# Altium PCB PROC010B_PCB.PcbDoc (part 1 of 6) (continued)
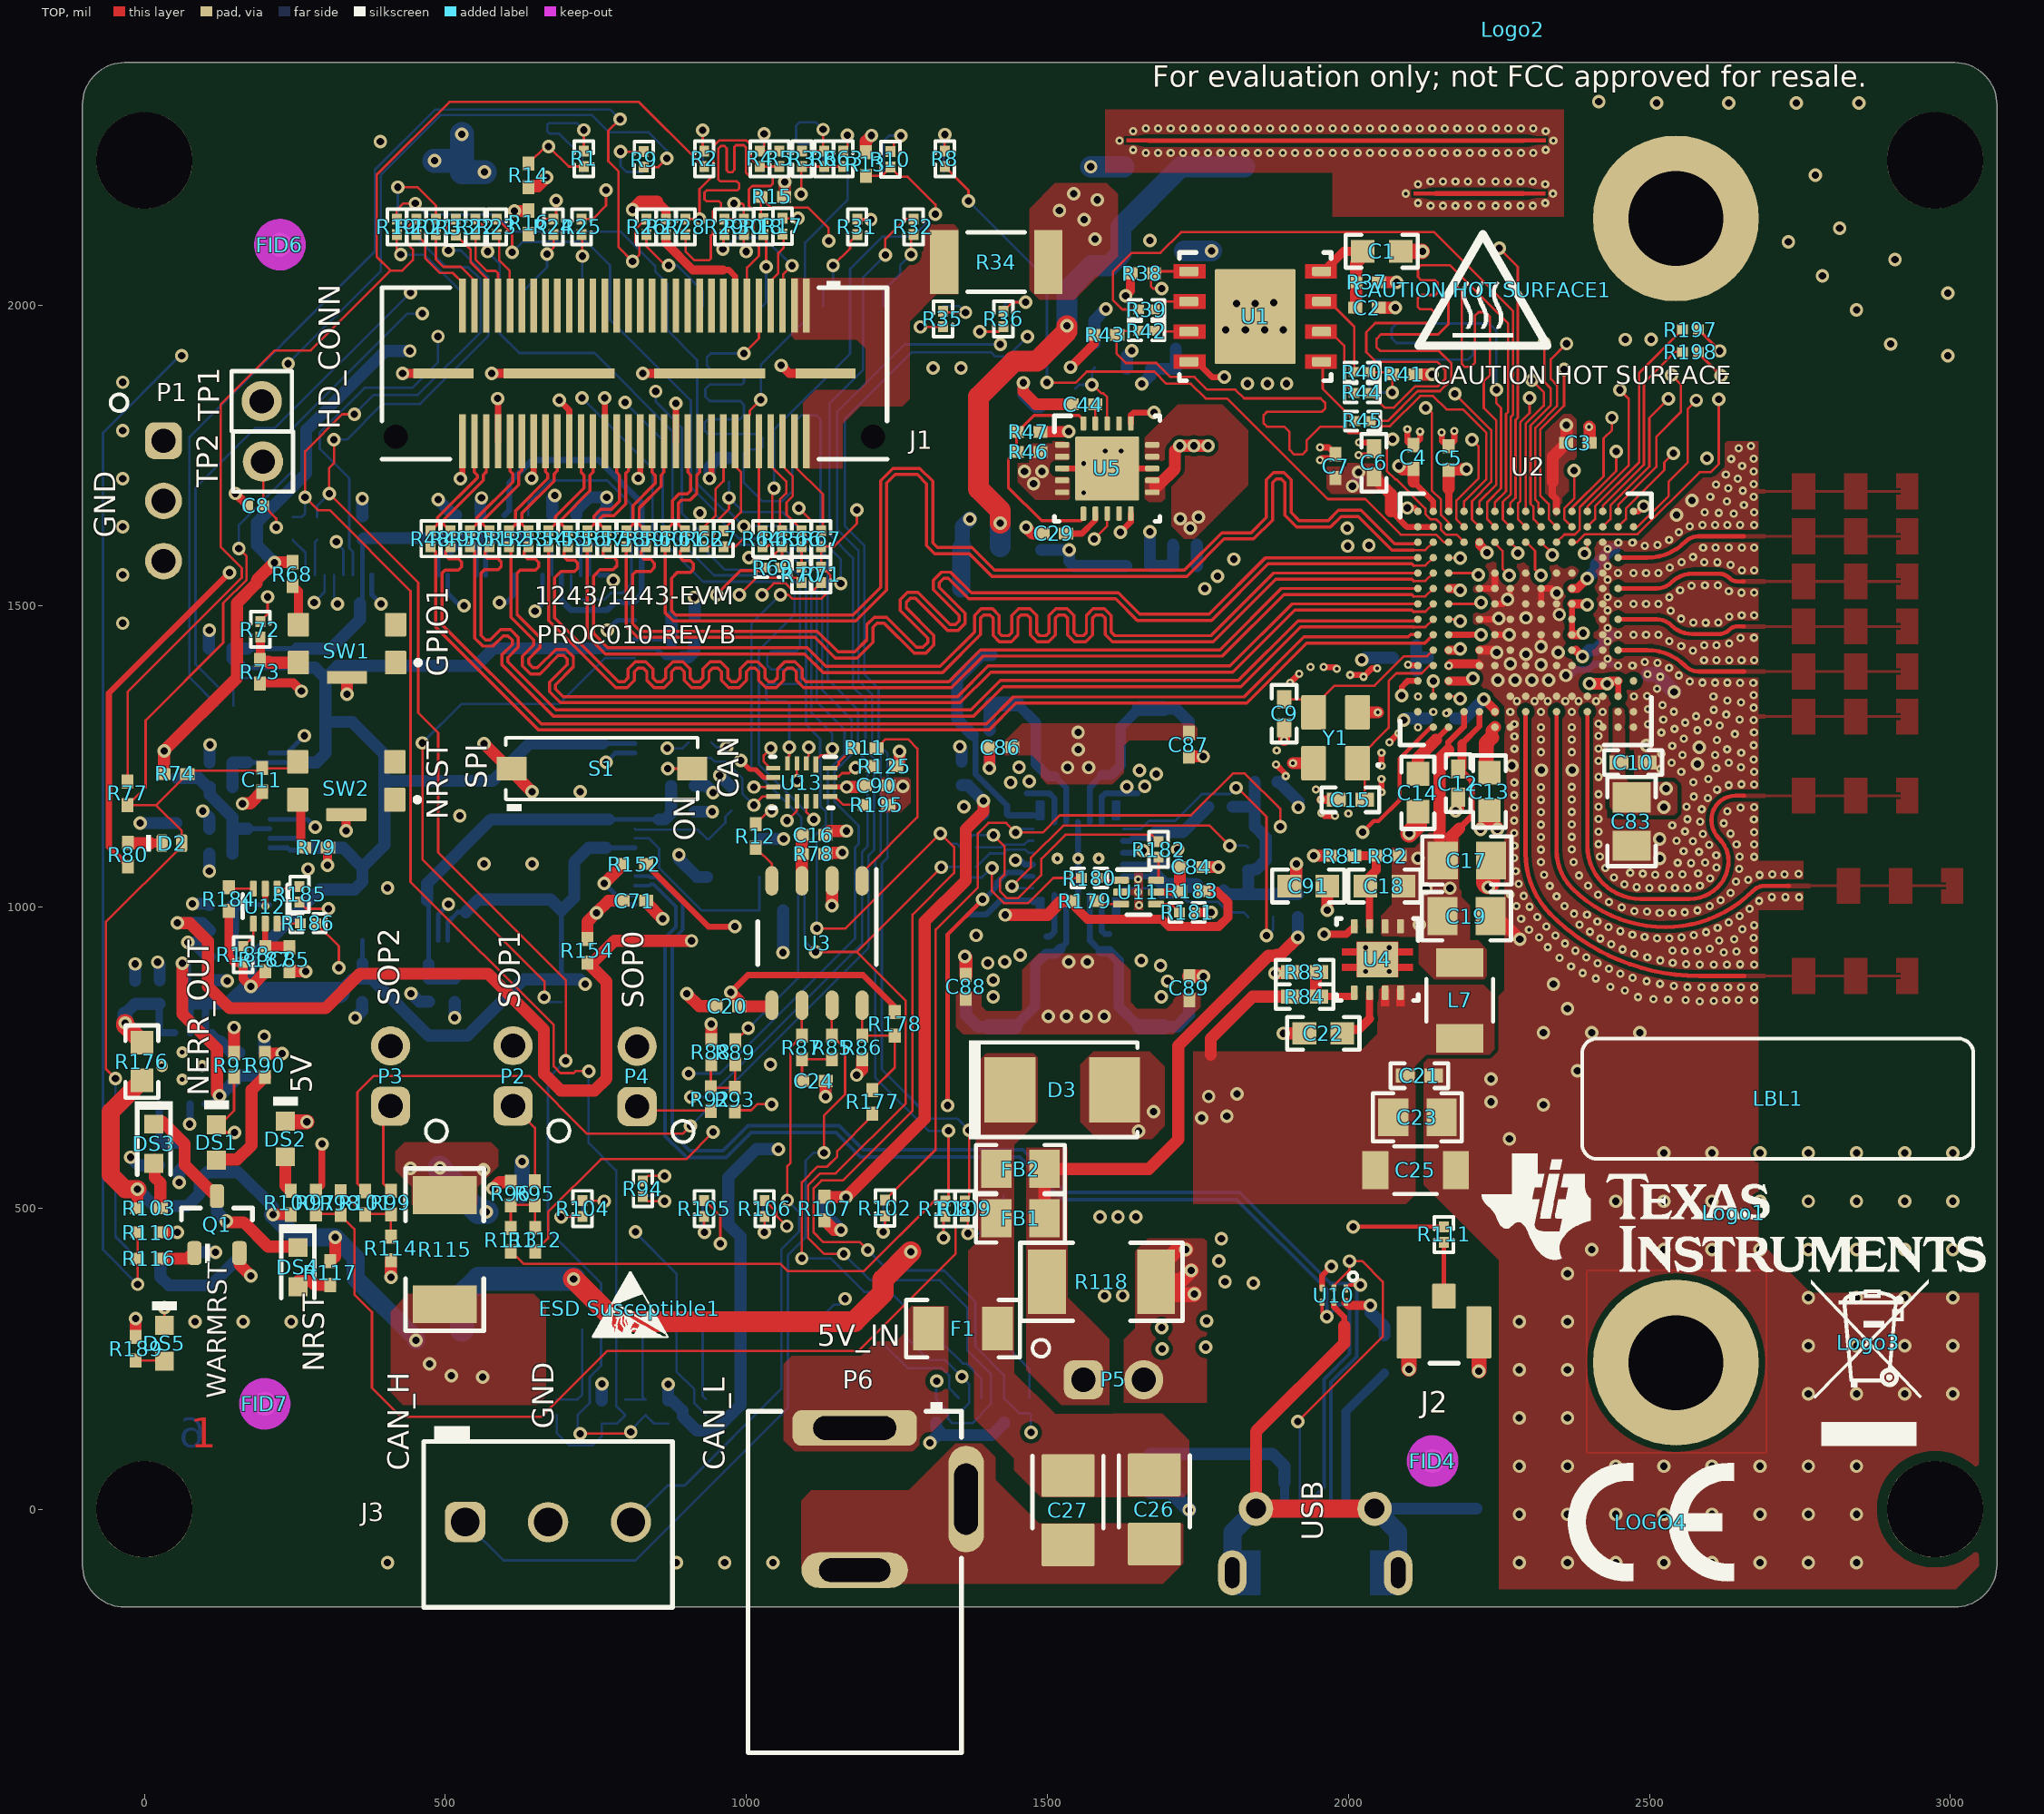
[diagram p0: TOP view]
## Components (designator, comment, footprint, x,y, rotation, side; value= is the part's Value field where it differs from the comment)
C1 "GCM188R71C105KA64D" 0603 2055.47,2088.99 r180 top value=1uF
C2 "CGA2B3X7R1H104K050BB" 0402L 2030.78,1995.26 r180 top value=0.1uF
C3 "GCM155R71C224KE02D" 0402L 2381.16,1770.8 r0 top value=0.22uF
C4 "GCM155R71C104KA55D" 0402L 2108,1747.43 r90 top value=0.1uF
C5 "GCM155R71C224KE02D" 0402L 2166.55,1745.78 r90 top value=0.22uF
C6 "GCM155R71C104KA55D" 0402 2042.55,1737.8 r90 top value=0.1uF
C7 "GCM155R71C224KE02D" 0402L 1978.55,1732.41 r90 top value=0.22uF
C8 "C0603X7S1A104K030BC" 0201_033 184.69,1666.75 r180 top value=0.1uF
C9 "GJM1555C1H4R7BB01D" 0402 1893.4,1321.21 r270 top value=4.7pF
C10 "GCM155R71C224KE02D" 0402 2473,1240 r0 top value=0.22uF
C11 "GCM155R71C104KA55D" 0402L 195.7,1211.25 r90 top value=0.1uF
C12 "GCM155R71C224KE02D" 0402 2182.55,1205.8 r270 top value=0.22uF
C13 "GCM188R71C105KA64D" 0603 2234.45,1191.9 r270 top value=1uF
C14 "GCM188R71C105KA64D" 0603 2115.45,1189.8 r270 top value=1uF
C15 "GJM1555C1H4R7BB01D" 0402 2003.47,1178.2 r0 top value=4.7pF
C16 "C0402C104K8RACTU" 0402L 1111.7,1119.67 r180 top value=0.1uF
C17 "GCM21BR71A106KE22L" 0805_HV 2196.81,1077.38 r0 top value=10uF
C18 "GCM188R71C474KA55D" 0603 2059.87,1034.87 r180 top value=0.47uF
C19 "GCM21BR71A106KE22L" 0805_HV 2196.23,984.99 r0 top value=10uF
C20 "C0402C104K8RACTU" 0402L 968.28,835.45 r0 top value=0.1uF
C21 "CGA2B3X7R1H104K050BB" 0402 2117.99,720.01 r0 top value=0.1uF
C22 "GCM188R71C474KA55D" 0603 1958.47,790.27 r180 top value=0.47uF
C23 "GCM21BR71A106KE22L" 0805_HV 2114.63,650.9 r0 top value=10uF
C24 "C1005X7R1H472K050BA" 0402L 1112.06,711.14 r180 top value=4700pF
C25 "CGA5L1X7R0J226M160AC" 1206_180 2111.8,563.22 r0 top value=22uF
C26 "T491B476K010AT" 3528-21 1677.7,-0.35 r270 top value=47uF
C27 "T491B476K010AT" 3528-21 1534.3,-1.55 r270 top value=47uF
C28 "CGA2B3X8R1H103K050BB" 0402L 1732.83,1927.64 r0 bottom value=0.01uF
C29 "CGA2B3X8R1H103K050BB" 0402L 1511.34,1620.25 r0 top value=0.01uF
C30 "CGA5L1X7R0J226M160AC" 1206_180 1402,1796.5 r270 bottom value=22uF
C31 "CGA5L1X7R0J226M160AC" 1206_180 1310.2,1796.25 r270 bottom value=22uF
C32 "GCM21BR71A106KE22L" 0805 1487.95,1795 r270 bottom value=10uF
C33 "GCM188R71C105KA64D" 0603 1802.6,1785.62 r270 bottom value=1uF
C34 "GCM21BR71A106KE22L" 0805_HV 1875,1790 r270 bottom value=10uF
C35 "GCM21BR71A106KE22L" 0805_HV 1955,1790 r270 bottom value=10uF
C36 "GCM188R71C105KA64D" 0603 1802.53,1642.85 r90 bottom value=1uF
C37 "GCM21BR71A106KE22L" 0805_HV 1955,1640.8 r90 bottom value=10uF
C38 "GCM21BR71A106KE22L" 0805_HV 1875,1640.8 r90 bottom value=10uF
C39 "GCM155R71C224KE02D" 0402L 2465,1595 r0 bottom value=0.22uF
C40 "GCM21BR71A106KE22L" 0805_HV1 1489.95,1632.3 r90 bottom value=10uF
C41 "C1005X7S0J105M050BC" 0402L 558.3,1631.85 r270 bottom value=1uF
C42 "C0402C104K8RACTU" 0402L 518.22,1631.85 r270 bottom value=0.1uF
C43 "C0402C104K8RACTU" 0402L 362.52,1629.85 r270 bottom value=0.1uF
C44 "CGA2B3X8R1H103K050BB" 0402L 1559.98,1834.93 r0 top value=0.01uF
C45 "GCM21BR71A106KE22L" 0805_HV1 2575,1570 r180 bottom value=10uF
C46 "CGA2B3X8R1H103K050BB" 0402L 1728.5,1566.52 r0 bottom value=0.01uF
C47 "GCM155R71C224KE02D" 0402L 2465,1555 r0 bottom value=0.22uF
C48 "GCM155R71C224KE02D" 0402 2077.55,1552.7 r90 bottom value=0.22uF
C49 "C0402C104K8RACTU" 0402L 894.35,1481.9 r180 bottom value=0.1uF
C50 "C1005X7R1E103K050BB" 0402L 126.65,1429.4 r0 bottom value=0.01uF
C51 "GCM155R71C224KE02D" 0402 2435.27,1426.58 r270 bottom value=0.22uF
C52 "GCM21BR71A106KE22L" 0805_HV 2498.15,1421.4 r270 bottom value=10uF
C53 "GCM155R71C224KE02D" 0402 2093.35,1414 r180 bottom value=0.22uF
C54 "GCM31CR71A226KE02" 1206_180 1592.83,1428.59 r90 bottom value=22uF
C55 "GCM31CR71A226KE02" 1206_180 1506.18,1429.62 r90 bottom value=22uF
C56 "GCM155R71C224KE02D" 0402 2153.83,1313.3 r180 bottom value=0.22uF
C57 "GCM155R71C224KE02D" 0402 2458.2,1287.95 r270 bottom value=0.22uF
C58 "GCM21BR71A106KE22L" 0805 2541.18,1281.31 r270 bottom value=10uF
C59 "GCM21BR71A106KE22L" 0805_HV1 1480.85,1272.15 r180 bottom value=10uF
C60 "GCM21BR71A106KE22L" 0805_HV1 1621.95,1271.3 r0 bottom value=10uF
C61 "C1005X7S0J105M050BC" 0402L 127.65,1240.06 r0 bottom value=1uF
C62 "C1005X7S0J105M050BC" 0402L 894.65,1201.5 r180 bottom value=1uF
C63 "GRM1555C1H8R0DA01D" 0402L 1041.3,994.36 r180 bottom value=8pF
C64 "C0402C104K8RACTU" 0402L 894.65,1158.3 r180 bottom value=0.1uF
C65 "GCM21BR71A106KE22L" 0805_HV 2476.6,1139.95 r270 bottom value=10uF
C66 "C0402C103K4RACTU" 0402L 127.19,1130.1 r0 bottom value=0.01uF
C67 "C0402C104K8RACTU" 0402L 127.25,1088.8 r0 bottom value=0.1uF
C68 "GCM155R71C224KE02D" 0402L 1739.45,1067 r180 bottom value=0.22uF
C69 "C0402C103K4RACTU" 0402L 127.65,1003.56 r0 bottom value=0.01uF
C70 "GRM1555C1H8R0DA01D" 0402L 975,1179.85 r270 bottom value=8pF
C71 "C0402C104K8RACTU" 0402L 814,1010.5 r180 top value=0.1uF
C72 "GCM21BR71A106KE22L" 0805_HV1 1618.65,868.7 r0 bottom value=10uF
C73 "GCM21BR71A106KE22L" 0805_HV1 1479.85,868.7 r180 bottom value=10uF
C74 "C1005X7S1A225K050BC" 0402_065L 515.6,862.15 r90 bottom value=2.2uF
C75 "C0402C104K8RACTU" 0402L 472.68,862.15 r90 bottom value=0.1uF
C76 "C0402C104K8RACTU" 0402L 361.92,861.85 r90 bottom value=0.1uF
C77 "C1005X7S1A225K050BC" 0402_065L 107.82,859.15 r270 bottom value=2.2uF
C78 "04025A150FAT2A" 0402L 67.1,859.15 r270 bottom value=15pF
C79 "C0402C104K8RACTU" 0402L 25.62,858.85 r270 bottom value=0.1uF
C80 "C1005X7S1A225K050BC" 0402_065L -15.4,858.5 r270 bottom value=2.2uF
C81 "GCM31CR71A226KE02" 1206_180 1499.96,711.43 r270 bottom value=22uF
C82 "GCM31CR71A226KE02" 1206_180 1597.69,711.75 r270 bottom value=22uF
C83 "GCM21BR71A106KE22L" 0805_HV 2470.42,1141.98 r270 top value=10uF
C84 "C0402C104K8RACTU" 0402L 1739.35,1066.5 r180 top value=0.1uF
C85 "C0402C104K8RACTU" 0402L 241.11,913.35 r270 top value=0.1uF
C86 "CGA2B2NP01H391J050BA" 0402L 1421.7,1265.35 r180 top value=390pF
C87 "CGA2B2NP01H391J050BA" 0402L 1735,1269.65 r270 top value=390pF
C88 "CGA2B2NP01H391J050BA" 0402L 1364.7,867.65 r90 top value=390pF
C89 "CGA2B2NP01H391J050BA" 0402L 1735.6,865.35 r90 top value=390pF
C90 "C0402C104K8RACTU" 0402L 1216.27,1201.97 r180 top value=0.1uF
C91 "GCM188R71C105KA64D" 0603 1933.5,1034.87 r0 top value=1uF
"CAUTION HOT SURFACE1" "CAUTION HOT SURFACE" IEC_HotSurface_Small 2223.32,2025.12 r0 top
D2 "SMS3923-040LF" SOD-882 45.81,1106.06 r0 top locked value=V
D3 "SZP6SMB6.8AT3G" SMB 1524.64,696.5 r0 top value=5.8V
DS1 "SML-LX0603SRW-TR" SML-LX0603SRW_SuperRed 119.71,609.17 r90 top value="Super Red"
DS2 "SML-LX0603SRW-TR" SML-LX0603SRW_SuperRed 234.35,614.83 r90 top value="Super Red"
DS3 "SML-E12Y8WT86" SML-E1_Yellow 15.8,607.06 r270 top value=Yellow
DS4 "SML-E12Y8WT86" SML-E1_Yellow 255.01,402.19 r270 top value=Yellow
DS5 "SML-LX0603SRW-TR" SML-LX0603SRW_SuperRed 33.45,275.58 r90 top value="Super Red"
"ESD Susceptible1" "ESD Susceptible" ESD_Overlay_Small 806.3,333.85 r0 top
F1 "0440005.WR" 1206 1360,300 r180 top
FB1 "BLM21PG300SH1D" 0805_HV 1455.18,483.01 r0 top value="30 ohm"
FB2 "BLM21PG300SH1D" 0805_HV 1455.18,565.13 r0 top value="30 ohm"
FID1 "Fiducial" Fiducial10-20 225,2200 r90 bottom
FID2 "Fiducial" Fiducial10-20 200,70 r90 bottom
FID3 "Fiducial" Fiducial10-20 2925,2008 r90 bottom
FID4 "Fiducial" Fiducial10-20 2140,80 r90 top
FID5 "Fiducial" Fiducial10-20 2140,80 r90 bottom
FID6 "Fiducial" Fiducial10-20 225.13,2099.98 r90 top
FID7 "Fiducial" Fiducial10-20 200,175 r90 top
J1 "QSH-030-01-L-D-A" Samtec_QSH-030-01-X-D-A 814.05,1886.26 r270 top locked
J2 "128-0711-201" Johnson_128-0711-201 2158.71,293.72 r0 top
J3 "OSTTE030161" On-Shore_OSTTE030161 670.6,-21.34 r0 top
J4 "SSM-103-S-SV" Samtec_SSM-103-x-SV 1727.5,2159.5 r0 bottom
J5 "SSM-110-S-DV" Samtec_SSM-110-x-DV 977.5,409.5 r0 bottom locked
J6 "SSM-110-S-DV" Samtec_SSM-110-x-DV 977.5,2109.5 r0 bottom locked
J7 "SSM-103-S-SV" Samtec_SSM-103-x-SV 1727.5,359.5 r0 bottom
J8 "105017-0001" CONN_105017-0001 1945,-52.27 r180 bottom locked
L1 "DFE252012P-R47M=P2" DFE252012P 1694.05,1366.3 r90 bottom value=470nH
L2 "DFE252012P-R47M=P2" DFE252012P 1407.85,1376.9 r90 bottom value=470nH
L3 "DFE252012P-R47M=P2" DFE252012P 1693.55,761.8 r270 bottom value=470nH
L4 "DFE252012P-R47M=P2" DFE252012P 1401.55,761.8 r270 bottom value=470nH
L5 "NLCV32T-R10M-EFRD" NLCV32 1677.4,1699.74 r0 bottom value=100nH
L7 "NLCV32T-R10M-EFRD" NLCV32 2185,845 r90 top value=100nH
L8 "NLCV32T-R10M-EFRD" NLCV32 1677.4,1817.43 r0 bottom value=100nH
L9 "NLCV32T-R10M-EFRD" NLCV32 1740.13,1487.07 r0 bottom value=100nH
LBL1 "Label" Label_650x200 2713.27,681.66 r0 top locked
Logo1 "Texas Instruments" TI_Stacked_Overlay_Small 2640.11,492.24 r0 top
Logo2 "FCC disclaimer" FCC_disclaimer 2273.36,2458.06 r0 top
Logo3 "WEEE logo" WEEE_Minimum 2864.39,277.26 r0 top
LOGO4 "CE Mark" CE_Mark_5mm 2502.7,-21.5 r0 top
P1 "TSW-103-07-T-S" Samtec_TSW-103-07-T-S 31.94,1674.53 r270 top
P2 "TSW-102-07-G-S" TSW-102-07-G-S 612.44,719.75 r90 top
P3 "TSW-102-07-G-S" TSW-102-07-G-S 409,719.42 r90 top
P4 "TSW-102-07-G-S" TSW-102-07-G-S 818.44,718.75 r90 top
P5 "TSW-102-07-G-S" TSW-102-07-G-S 1610,215 r0 top
P6 "PJ-002AH" CUI_PJ-002AH 1180,16.89 r270 top
Q1 "BSS123" SOT-23 120.58,472.75 r90 top value=100V
Q2 "BSS123" SOT-23 120.62,472.17 r90 bottom value=100V
R1 "CRCW02010000Z0ED" 0201_Silk 730.05,2242.72 r270 top value=0
R2 "CRCW02010000Z0ED" 0201_Silk 930.05,2242.72 r270 top value=0
R3 "CRCW02010000Z0ED" 0201_Silk 1092.38,2242.72 r270 top value=0
R4 "CRCW02010000Z0ED" 0201_Silk 1022.55,2242.72 r270 top value=0
R5 "CRCW02010000Z0ED" 0201_Silk 1054.91,2242.72 r270 top value=0
R6 "CRCW02010000Z0ED" 0201_Silk 1129,2242.72 r270 top value=0
R7 "CRCW02010000Z0ED" 0201_Silk 962.11,1611.72 r270 top value=0
R8 "CRCW02010000Z0ED" 0201_Silk 1329.55,2242.72 r270 top value=0
R9 "CRCW02010000Z0ED" 0201_Silk 829.75,2241.72 r270 top value=0
R10 "CRCW02010000Z0ED" 0201_Silk 1239.25,2241.72 r270 top value=0
R11 "ERJ-2GE0R00X" 0402L 1196.59,1264.15 r0 top value=0
R12 "ERJ-2GE0R00X" 0402L 1015.51,1118 r270 top value=0
R13 "CRCW040210K0FKED" 0402L 1198.4,2234.05 r270 top value=10.0k
R14 "CRCW040210K0FKED" 0402L 638.26,2215.06 r270 top value=10.0k
R15 "CRCW040210K0FKED" 0402L 1042.8,2179.56 r0 top value=10.0k
R16 "CRCW040210K0FKED" 0402L 638.2,2137.15 r90 top value=10.0k
R17 "CRCW02010000Z0ED" 0201_Silk 1060.25,2130.72 r270 top value=0
R18 "CRCW02010000Z0ED" 0201_Silk 1028.21,2130.07 r270 top value=0
R19 "CRCW02010000Z0ED" 0201_Silk 419.25,2129.72 r270 top value=0
R20 "CRCW02010000Z0ED" 0201_Silk 452.11,2129.72 r270 top value=0
R21 "CRCW02010000Z0ED" 0201_Silk 484.35,2129.72 r270 top value=0
R22 "CRCW02010000Z0ED" 0201_Silk 550.11,2129.72 r270 top value=0
R23 "CRCW02010000Z0ED" 0201_Silk 585.61,2129.72 r270 top value=0
R24 "CRCW02010000Z0ED" 0201_Silk 679.75,2129.72 r270 top value=0
R25 "CRCW02010000Z0ED" 0201_Silk 726.25,2129.72 r270 top value=0
R26 "CRCW02010000Z0ED" 0201_Silk 834.11,2129.72 r270 top value=0
R27 "CRCW02010000Z0ED" 0201_Silk 866.61,2129.72 r270 top value=0
R28 "CRCW02010000Z0ED" 0201_Silk 899.11,2129.72 r270 top value=0
R29 "CRCW02010000Z0ED" 0201_Silk 963.83,2129.72 r270 top value=0
R30 "CRCW02010000Z0ED" 0201_Silk 995.75,2129.72 r270 top value=0
R31 "CRCW02010000Z0ED" 0201_Silk 1184,2129.68 r270 top value=0
R32 "CRCW02010000Z0ED" 0201_Silk 1277.55,2129.72 r270 top value=0
R33 "CRCW02010000Z0ED" 0201_Silk 517.39,2129.28 r270 top value=0
R34 "CRCW20100000Z0EF" 2010L 1415.06,2071.26 r0 top value=0
R35 "CRCW02010000Z0ED" 0201_Silk 1326.75,1976.72 r90 top value=0
R36 "CRCW02010000Z0ED" 0201_Silk 1427.25,1976.72 r90 top value=0
R37 "ERJ-2GE0R00X" 0402L 2030.93,2037.7 r180 top value=0
R38 "CRCW040247K5FKED" 0402L 1657.69,2052.34 r180 top value=47.5k
R39 "CRCW020133R2FNED" 0201_Silk 1664.78,1992.45 r0 top value=33.2
R40 "CRCW020133R2FNED" 0201_Silk 2022.78,1888.35 r0 top value=33.2
R41 "CRCW040210K0FKED" 0402L 2091.65,1884.48 r0 top value=10.0k
R42 "CRCW020133R2FNED" 0201_Silk 1664.78,1956.85 r0 top value=33.2
R43 "CRCW040210K0FKED" 0402L 1596.29,1950.4 r180 top value=10.0k
R44 "CRCW020133R2FNED" 0201_Silk 2022.78,1853.85 r0 top value=33.2
R45 "CRCW020133R2FNED" 0201_Silk 2023.78,1807.35 r0 top value=33.2
R46 "CRCW040210K0FKED" 0402L 1468.54,1756.11 r180 top value=10.0k
R47 "CRCW040210K0FKED" 0402L 1468.54,1788.74 r0 top value=10.0k
R48 "CRCW02010000Z0ED" 0201_Silk 475.61,1611.72 r270 top value=0
R49 "CRCW02010000Z0ED" 0201_Silk 508.25,1611.72 r270 top value=0
R50 "CRCW02010000Z0ED" 0201_Silk 540.75,1611.72 r270 top value=0
R51 "CRCW02010000Z0ED" 0201_Silk 573.25,1611.72 r270 top value=0
R52 "CRCW02010000Z0ED" 0201_Silk 605.75,1611.72 r270 top value=0
R53 "CRCW02010000Z0ED" 0201_Silk 638.25,1611.72 r270 top value=0
R54 "CRCW02010000Z0ED" 0201_Silk 671.35,1611.72 r270 top value=0
R55 "CRCW02010000Z0ED" 0201_Silk 703.85,1611.72 r270 top value=0
R56 "CRCW02010000Z0ED" 0201_Silk 735.75,1611.72 r270 top value=0
R57 "CRCW02010000Z0ED" 0201_Silk 768.05,1611.72 r270 top value=0
R58 "CRCW02010000Z0ED" 0201_Silk 800.55,1611.72 r270 top value=0
R59 "CRCW02010000Z0ED" 0201_Silk 833.05,1611.72 r270 top value=0
R60 "CRCW02010000Z0ED" 0201_Silk 865.55,1611.72 r270 top value=0
R61 "CRCW02010000Z0ED" 0201_Silk 897.75,1611.72 r270 top value=0
R62 "CRCW02010000Z0ED" 0201_Silk 929.85,1611.72 r270 top value=0
R63 "CRCW02010000Z0ED" 0201_Silk 1161.25,2242.72 r270 top value=0
R64 "CRCW02010000Z0ED" 0201_Silk 1026.61,1611.72 r270 top value=0
R65 "CRCW02010000Z0ED" 0201_Silk 1059.25,1611.72 r270 top value=0
R66 "CRCW02010000Z0ED" 0201_Silk 1091.75,1611.72 r270 top value=0
R67 "CRCW02010000Z0ED" 0201_Silk 1124.25,1611.72 r270 top value=0
R68 "ERJ-2GEJ101X" 0402L 246.04,1553.15 r90 top value=100
R69 "CRCW02010000Z0ED" 0201_Silk 1044.1,1563.62 r180 top value=0
R70 "CRCW02010000Z0ED" 0201_Silk 1091.33,1551.72 r270 top value=0
R71 "CRCW02010000Z0ED" 0201_Silk 1124.33,1551.72 r270 top value=0
R72 "CRCW02010000Z0ED" 0201_Silk 192.5,1461.25 r90 top value=0
R73 "CRCW040210K0FKED" 0402L 192.05,1390.92 r90 top value=10.0k
R74 "CRCW040210K0FKED" 0402L 51.65,1221.14 r180 top value=10.0k
R75 "CRCW02010000Z0ED" 0201_Silk 904.07,1260.47 r90 bottom value=0
R76 "CRCW02010000Z0ED" 0201_Silk 941.93,1260.47 r90 bottom value=0
R77 "ERJ-2GEJ101X" 0402L -27.74,1188.85 r270 top value=100
R78 "ERJ-2GE0R00X" 0402L 1111.7,1088.29 r0 top value=0
R79 "ERJ-2GEJ101X" 0402L 285.35,1098.84 r180 top value=100
R80 "ERJ-2GEJ101X" 0402L -27.26,1087.15 r90 top value=100
R81 "CRCW040210K0FKED" 0402L 1989.89,1085.17 r0 top value=10.0k
R82 "CRCW040212K7FKED" 0402L 2065.31,1085.13 r0 top value=12.7k
R83 "CRCW040210K0FKED" 0402 1927.35,892.02 r0 top value=10.0k
R84 "CRCW040210K0FKED" 0402 1927.35,851.22 r180 top value=10.0k
R85 "CRCW040261R9FKED" 0402L 1142.37,766.8 r90 top value=61.9
R86 "CRCW040210K0FKED" 0402L 1192.37,766.8 r270 top value=10.0k
R87 "CRCW040261R9FKED" 0402L 1092.37,766.8 r270 top value=61.9
R88 "CRCW040282K5FKED" 0402L 941.42,759.15 r270 top value=82.5k
R89 "CRCW040210K0FKED" 0402L 981.88,758.85 r270 top value=10.0k
R90 "ERJ-2GEJ361X" 0402L 200.46,737.79 r90 top value=360
R91 "CRCW040210K0FKED" 0402L 149,737.88 r90 top value=10.0k
R92 "CRCW04027K87FKED" 0402L 940.92,681.15 r270 top value=7.87k
R93 "CRCW0402750RFKED" 0402L 981.12,680.36 r270 top value=750
R94 "CRCW02010000Z0ED" 0201_Silk 828.25,532.28 r90 top value=0
R95 "CRCW04027K87FKED" 0402L 648.82,524.55 r90 top value=7.87k
R96 "CRCW040282K5FKED" 0402L 608.78,524.25 r270 top value=82.5k
R97 "ERJ-2GE0R00X" 0402L 285,509.15 r90 top value=0
R98 "CRCW040210K0FKED" 0402L 325.82,508.36 r90 top value=10.0k
R99 "CRCW04027K87FKED" 0402L 409.62,509.15 r90 top value=7.87k
R100 "ERJ-2GEJ511X" 0402L 242.91,509.06 r270 top value=510
R101 "CRCW0402750RFKED" 0402L 366.98,508.85 r90 top value=750
R102 "CRCW02010000Z0ED" 0201_Silk 1230.25,500.28 r90 top value=0
R103 "ERJ-2GEJ511X" 0402L 7.57,500.07 r180 top value=510
R104 "CRCW02010000Z0ED" 0201_Silk 727.75,499.28 r90 top value=0
R105 "CRCW02010000Z0ED" 0201_Silk 929.75,499.28 r90 top value=0
R106 "CRCW02010000Z0ED" 0201_Silk 1030.25,499.28 r90 top value=0
R107 "ERJ-2GE0R00X" 0402L 1129.75,499.28 r90 top value=0
R108 "CRCW02010000Z0ED" 0201_Silk 1330.35,499.08 r90 top value=0
R109 "CRCW02010000Z0ED" 0201_Silk 1362.85,499.08 r90 top value=0
R110 "CRCW0402100KFKED" 0402L 7.72,459.77 r180 top value=100k
R111 "CRCW02010000Z0ED" 0201_Silk 2158.86,456.17 r270 top value=0
R112 "CRCW0402750RFKED" 0402L 649.32,447.55 r270 top value=750
R113 "CRCW040210K0FKED" 0402L 608.92,447.55 r90 top value=10.0k
R114 "CRCW040282K5FKED" 0402L 409.52,433.15 r90 top value=82.5k
R115 "CRCW20100000Z0EF" 2010 498.73,431.05 r270 top value=0
R116 "ERJ-2GEJ511X" 0402L 7.78,416.33 r0 top value=510
R117 "ERJ-2GEJ511X" 0402L 308.61,392.15 r90 top value=510
R118 "CRCW20100000Z0EF" 2010 1589.87,377.74 r0 top value=0
R119 "ERJ-2GE0R00X" 0402L 1577.96,1916.14 r270 bottom value=0
R120 "ERJ-2GE0R00X" 0402L 1546.63,1841.79 r270 bottom value=0
R121 "CRCW04023K00FKED" 0402L 1652.02,1893.62 r0 bottom value=3.00k
R122 "CRCW04021K96FKED" 0402L 1732.83,1893.62 r0 bottom value=1.96k
R123 "CRCW04021K00FKED" 0402L 757.28,1632.15 r90 bottom value=1.00k
R124 "CRCW04021K00FKED" 0402L 637.72,1631.85 r270 bottom value=1.00k
R125 "CRCW040210K0FKED" 0402L 1229.27,1234.12 r0 top value=10.0k
R126 "CRCW04021K00FKED" 0402L 717.68,1632.15 r90 bottom value=1.00k
R127 "CRCW04021K00FKED" 0402L 598.12,1631.85 r270 bottom value=1.00k
R128 "ERJ-2GE0R00X" 0402L 246.5,1628.85 r270 bottom value=0
R129 "ERJ-2GE0R00X" 0402L 287,1628.5 r270 bottom value=0
R130 "MCT06030Z0000ZP500" 0603 1390.31,1598.71 r180 bottom value=0
R131 "CRCW04021K96FKED" 0402L 1728.74,1601.78 r0 bottom value=1.96k
R132 "CRCW04023K00FKED" 0402L 1650.78,1566.52 r0 bottom value=3.00k
R133 "MCT06030Z0000ZP500" 0603 1388.69,1529.05 r180 bottom value=0
R134 "CRCW040249R9FKED" 0402L 894.65,1440.6 r0 bottom value=49.9
R135 "CRCW02010000Z0ED" 0201_Silk 134.78,1366.19 r0 bottom value=0
R136 "CRCW02010000Z0ED" 0201_Silk 134.78,1334.29 r0 bottom value=0
R137 "MCT06030Z0000ZP500" 0603 2628.57,1278.19 r270 bottom value=0
R138 "CRCW0402100KFKED" 0402L 1357.78,1221.96 r270 bottom value=100k
R139 "CRCW04021K96FKED" 0402L 1863.35,1207.54 r180 bottom value=1.96k
R140 "CRCW04021K00FKED" 0402L 127.65,1199.52 r0 bottom value=1.00k
R141 "ERJ-2GE0R00X" 0402L 1413.4,1154.01 r180 bottom value=0
R142 "ERJ-2RKF4991X" 0402L 1863.35,1167.04 r180 bottom value=4.99k
R143 "CRCW04024K99FKED" 0402L 1786.35,1166.5 r0 bottom value=4.99k
R144 "CRCW02010000Z0ED" 0201_Silk 1368.78,1066.69 r0 bottom value=0
R145 "CRCW040210K0FKED" 0402L 1833.44,1080.15 r270 bottom value=10.0k
R146 "CRCW02010000Z0ED" 0201_Silk 1368.78,1099.19 r180 bottom value=0
R147 "CRCW04024K99FKED" 0402L 1774,1027.5 r0 bottom value=4.99k
R148 "CRCW040210K0FKED" 0402L 1875,1002.5 r90 bottom value=10.0k
R149 "ERJ-2GEJ102X" 0402L 1916.14,1002.15 r270 bottom value=1.0k
R150 "ERJ-2RKF4991X" 0402L 1833.74,1002.15 r270 bottom value=4.99k
R151 "CRCW0402330KFKED" 0402L 127.65,961.04 r180 bottom value=330k
R152 "ERJ-2GE0R00X" 0402L 814,1071.5 r0 top value=0
R153 "CRCW0402330KFKED" 0402L 127.65,917.74 r0 bottom value=330k
R154 "ERJ-2GEJ101X" 0402L 736,927.5 r270 top value=100
R155 "CRCW040210K0FKED" 0402L 692.78,861.15 r90 bottom value=10.0k
R156 "CRCW040249K9FKED" 0402L 158.03,739.19 r90 bottom value=49.9k
R157 "CRCW040230K0FKED" 0402L 199.2,738.85 r270 bottom value=30.0k
R158 "CRCW0402100KFKED" 0402L 65.68,589.85 r90 bottom value=100k
R159 "ERJ-2GE0R00X" 0402L 24.43,589.71 r90 bottom value=0
R160 "ERJ-2GEJ511X" 0402L 7.7,415.91 r0 bottom value=510
R161 "MCT06030Z0000ZP500" 0603 2060,257.5 r90 bottom value=0
R162 "CRCW02010000Z0ED" 0201_Silk 1470.25,172.28 r90 bottom value=0
R163 "CRCW02010000Z0ED" 0201_Silk 1390.25,171.72 r90 bottom value=0
R164 "CRCW02010000Z0ED" 0201_Silk 1352.75,171.72 r90 bottom value=0
R165 "CRCW02010000Z0ED" 0201_Silk 932.75,169.72 r90 bottom value=0
R166 "CRCW02010000Z0ED" 0201_Silk 832.75,169.28 r90 bottom value=0
R167 "CRCW02010000Z0ED" 0201_Silk 799.13,169.28 r90 bottom value=0
R168 "CRCW02010000Z0ED" 0201_Silk 719.63,169.28 r90 bottom value=0
R169 "CRCW02010000Z0ED" 0201_Silk 685.13,169.28 r90 bottom value=0
R170 "CRCW04022K94FKED" 0402 1428.02,163.85 r270 bottom value=2.94k
R171 "CRCW04022K94FKED" 0402 1315.37,163.85 r270 bottom value=2.94k
R172 "CRCW0402100KFKED" 0402L 870.18,161.15 r90 bottom value=100k
R173 "CRCW0402100KFKED" 0402L 759.88,161.15 r90 bottom value=100k
R174 "CRCW040230K0FKED" 0402L 2212.4,-18.11 r90 bottom value=30.0k
R175 "MCT06030Z0000ZP500" 0603 1671,60.5 r90 bottom value=0
R176 "MCT06030Z0000ZP500" 0603 -4,743.5 r270 top value=0
R177 "ERJ-2GE0R00X" 0402L 1209.5,676.57 r270 top value=0
R178 "CRCW040210K0FKED" 0402L 1246.5,806.17 r270 top value=10.0k
R179 "CRCW040210K0FKED" 0402L 1562.35,1009.92 r180 top value=10.0k
R180 "CRCW02010000Z0ED" 0201_Silk 1569.78,1048.33 r0 top value=0
R181 "CRCW02010000Z0ED" 0201_Silk 1732.22,991.17 r0 top value=0
R182 "CRCW02010000Z0ED" 0201_Silk 1684.67,1095.78 r90 top value=0
R183 "ERJ-2GE0R00X" 0402L 1739.65,1026.68 r0 top value=0
R184 "CRCW040210K0FKED" 0402L 140.38,1013.35 r270 top value=10.0k
R185 "CRCW02010000Z0ED" 0201_Silk 257.83,1021.22 r90 top value=0
R186 "CRCW02010000Z0ED" 0201_Silk 271.78,973.33 r0 top value=0
R187 "ERJ-2GE0R00X" 0402L 200.98,913.35 r270 top value=0
R188 "CRCW02010000Z0ED" 0201_Silk 163.83,921.22 r90 top value=0
R189 "ERJ-2GEJ361X" 0402L -14.4,266.73 r90 top value=360
R190 "CRCW04023R83FKED" 0402L 1403.85,1273.74 r90 bottom value=3.83
R191 "CRCW04023R83FKED" 0402L 1734.8,1267.65 r90 bottom value=3.83
R192 "CRCW04023R83FKED" 0402L 1364.9,867.35 r270 bottom value=3.83
R193 "CRCW04023R83FKED" 0402L 1735.6,865.35 r270 bottom value=3.83
R194 "CRCW04024K87FKED" 0402L 677.52,1631.85 r270 bottom value=4.87k
R195 "CRCW040210K0FKED" 0402L 1216.27,1169.81 r0 top value=10.0k
R196 "CRCW040210K0FKED" 0402L 971,1725.91 r270 bottom value=10.0k
R197 "CRCW02010000Z0ED" 0201 2568,1959 r180 top value=0
R198 "CRCW02010000Z0ED" 0201 2568,1922 r180 top value=0
S1 "CHS-01TB" SW_CHS-01TB 760,1230 r90 top locked
SW1 "KMR243GLFG" SW_KMR243GLFG 336.65,1437.52 r180 top
SW2 "KMR243GLFG" SW_KMR243GLFG 335.35,1209.76 r180 top
TP1 "TSW-101-17-T-S" Samtec_TSW-101-17-T-S 195,1840 r0 top
TP2 "TSW-101-17-T-S" Samtec_TSW-101-17-T-S 196.94,1739.77 r0 top
U1 "MX25V1635FZNQ" WSON-8L_6x5MM_EP 1845.23,1980.68 r0 top
U2 "AWR1243FBIGABLQ1" ABL0161A 2294.55,1477.9 r180 top locked
U3 "TCAN1042HGVDQ1" D0008A_L 1117.37,940.26 r270 top
U4 "TPS7A8101QDRBRQ1" DRB0008A 2048.18,912.92 r270 top
U5 "TPS7A8801RTJR" RTJ0020D 1599.35,1728.32 r0 top
U6 "TM4C1294NCPDTT3" PDT0128A 511.79,1248.04 r0 bottom
U7 "LM4040C25QDBZR" DBZ0003A_N 8.08,1177.09 r180 bottom
U8 "LP87524JRNFRQ1" RNF0026C 1551,1080.5 r0 bottom locked
U9 "TPS79601DRBR" DRB0008B 62.83,736.32 r270 bottom
U10 "TPD4E004DRYR" DRY0006A 1976,355.5 r270 top
U11 "TMP112AIDRLR" DRL0006A 1651.46,1024.75 r0 top
U12 "TMP112AIDRLR" DRL0006A 200.81,1001.54 r270 top
U13 "TS3A5018RSVR" RSV0016A 1091.86,1207.21 r270 top
Y1 "CX3225SA40000D0PTWCC" Kyocera_CX3225SA 1978.72,1281.14 r180 top
Y2 "NX3225SA-16.000M-STD-CRS-2" NDK_NX3225SA 978.31,1081.5 r270 bottom
ZZ1 "This Assembly Note is for PCB labels only" AssemblyNoteLabel -484.07,3129.33 r0 top
ZZ2 "These assemblies are ESD sensitive, ESD precautions shall be observed." AssemblyNote -484.07,3020.44 r0 top
ZZ3 "These assemblies must be clean and free from flux and all contaminants. Use of no clean flux is not acceptable." AssemblyNote -484.07,2931.89 r0 top
ZZ4 "These assemblies must comply with workmanship standards IPC-A-610 Class 2, unless otherwise specified." AssemblyNote -484.07,2843.33 r0 top
ZZ5 "Micro USB cable, Brackets, Screws, Nuts, Jumpers and Bump on need to be placed in a plastic bag" AssemblyNote -485.07,2750.33 r0 top

## Footprints (in the part's own frame and the unit in brackets; to place one, negate y for a bottom-side part, rotate by r counter-clockwise, add the part's x,y. Pads: shape width x height; smd on the part's side, far side on the other; paste and mask are expansions set on the pad)
0201 [mm] "Data from Kemet datasheet CC101_COM dated 7/28/11"
  rect 0.46x0.42 smd: 1(-0.33,0) 2(0.33,0)
  body extent -0.31,-0.16 0.31,0.16, height 0.26
0201_033 [mm] "SMD, 2-Leads, Height 0.33mm"
  rect 0.46x0.42 smd: 1(-0.33,0) 2(0.33,0)
  body extent -0.31,-0.16 0.31,0.16, height 0.33
0201_Silk [mm] "Data from Kemet datasheet CC101_COM dated 7/28/11"
  rect 0.46x0.42 smd: 1(-0.33,0) 2(0.33,0)
  silkscreen extent -0.75,-0.4 0.75,0.4, body extent -0.31,-0.16 0.31,0.16, height 0.26
0402 [mm] "0402 from SM-752 data"
  rect 0.8x0.6 smd: 1(-0.6,0) 2(0.6,0)
  silkscreen extent -1.22,-0.52 1.22,0.52, body extent -0.55,-0.3 0.55,0.3, height 0.6
0402_065L [mm] "0402"
  rect 0.6x0.5 smd: 1(-0.5,0) 2(0.5,0)
  body extent -0.55,-0.3 0.55,0.3, height 0.65
0402L [mm] "0402 from SM-752 data"
  rect 0.6x0.5 smd: 1(-0.5,0) 2(0.5,0)
  body extent -0.55,-0.3 0.55,0.3, height 0.6
0603 [mm] "0603 from SM-752 data"
  rect 1x0.95 smd: 1(-0.8,0) 2(0.8,0)
  silkscreen extent -1.52,-0.69 1.52,0.69, body extent -0.87,-0.47 0.87,0.47, height 1
0805 [mm] "0805 from SM-752 data"
  rect 1.3x1.5 smd: 1(-0.85,0) 2(0.85,0)
  silkscreen extent -1.72,-0.97 1.72,0.97, body extent -1.1,-0.72 1.1,0.72, height 1.45
0805_HV [mil] "0805 with 30mil clearance between pads"
  rect 50x63 smd: 1(-40,0) 2(40,0)
  silkscreen extent -74,-40 74,40, body extent -43,-29 43,29, height 57
0805_HV1 [mm] "Custom footprint based on analyzing multiple manufacturer recommendations"
  rrect10% 1x1.25 smd: 1(-1,0) 2(1,0)
  silkscreen extent -0.2,-0.75 0.2,0.75, body extent -1.1,-0.72 1.1,0.73, height 1.45
1206 [mm] "1206 from SM-752 data"
  rect 1.3x1.85 smd: 1(-1.45,0) 2(1.45,0)
  silkscreen extent -2.4,-1.21 2.4,1.21, body extent -1.7,-0.9 1.7,0.9, height 1.35
1206_180 [mm] "1206_180"
  rect 1.1x1.6 smd: 1(-1.7,0) 2(1.7,0)
  silkscreen extent -0.9,-1 0.9,1, body extent -1.75,-0.95 1.75,0.95, height 1.8
2010 [mm] "Chip Capacitor, Body 5.08x2.54mm, IPC Medium Density"
  rect 1.6x2.7 smd: 1(-2.3,0) 2(2.3,0)
  silkscreen extent -3.42,-1.65 3.42,1.65, body extent -2.73,-1.45 2.73,1.45, height 1.66
2010L [mm]
  rect 1.2x2.7 smd: 1(-2.2,0) 2(2.2,0)
  silkscreen extent -1.2,-1.25 1.2,1.25, body extent -2.73,-1.45 2.73,1.45, height 1.66
3528-21 [mm] "Medium Density IPC, based on Kemet datasheet 2016-10-20"
  rrect6% 1.8x2.23 smd: 1(-1.46,0) 2(1.46,0)
  silkscreen extent -2.29,-1.5 0.76,1.5, body extent -1.85,-1.5 1.85,1.5, height 2.12
ABL0161A [mm] "BGA, 161-Balls, Body 10.4x10.4mm, Pitch 0.65mm"
  round 0.32 smd mask+0.05: A1(-4.55,4.55) A2(-3.9,4.55) A3(-3.25,4.55) A5(-1.95,4.55) A7(-0.65,4.55) A9(0.65,4.55) A10(1.3,4.55) A13(3.25,4.55) A14(3.9,4.55) A15(4.55,4.55) B1(-4.55,3.9) B2(-3.9,3.9) B3(-3.25,3.9) B4(-2.6,3.9) B5(-1.95,3.9) B6(-1.3,3.9) B7(-0.65,3.9) B8(0,3.9) B9(0.65,3.9) B10(1.3,3.9) B11(1.95,3.9) B12(2.6,3.9) B13(3.25,3.9) B14(3.9,3.9) B15(4.55,3.9) C1(-4.55,3.25) C2(-3.9,3.25) C3(-3.25,3.25) C4(-2.6,3.25) C5(-1.95,3.25) C6(-1.3,3.25) C7(-0.65,3.25) C8(0,3.25) C9(0.65,3.25) C13(3.25,3.25) C14(3.9,3.25) C15(4.55,3.25) D1(-4.55,2.6) D2(-3.9,2.6) D13(3.25,2.6) D15(4.55,2.6) E1(-4.55,1.95) E2(-3.9,1.95) E3(-3.25,1.95) E5(-1.95,1.95) E6(-1.3,1.95) E8(0,1.95) E10(1.3,1.95) E11(1.95,1.95) E13(3.25,1.95) E14(3.9,1.95) E15(4.55,1.95) F2(-3.9,1.3) F3(-3.25,1.3) F5(-1.95,1.3) F9(0.65,1.3) F11(1.95,1.3) F13(3.25,1.3) F14(3.9,1.3) G1(-4.55,0.65) G2(-3.9,0.65) G3(-3.25,0.65) G5(-1.95,0.65) G6(-1.3,0.65) G7(-0.65,0.65) G8(0,0.65) G10(1.3,0.65) G13(3.25,0.65) G14(3.9,0.65) G15(4.55,0.65) H2(-3.9,0) H3(-3.25,0) H5(-1.95,0) H7(-0.65,0) H9(0.65,0) H11(1.95,0) H13(3.25,0) H14(3.9,0) H15(4.55,0) J1(-4.55,-0.65) J2(-3.9,-0.65) J3(-3.25,-0.65) J5(-1.95,-0.65) J6(-1.3,-0.65) J7(-0.65,-0.65) J8(0,-0.65) J10(1.3,-0.65) J13(3.25,-0.65) J14(3.9,-0.65) J15(4.55,-0.65) K2(-3.9,-1.3) K3(-3.25,-1.3) K5(-1.95,-1.3) K7(-0.65,-1.3) K8(0,-1.3) K9(0.65,-1.3) K10(1.3,-1.3) K11(1.95,-1.3) K13(3.25,-1.3) K14(3.9,-1.3) K15(4.55,-1.3) L1(-4.55,-1.95) L2(-3.9,-1.95) L3(-3.25,-1.95) L5(-1.95,-1.95) L6(-1.3,-1.95) L8(0,-1.95) L10(1.3,-1.95) L13(3.25,-1.95) L14(3.9,-1.95) L15(4.55,-1.95) M2(-3.9,-2.6) M3(-3.25,-2.6) M13(3.25,-2.6) M14(3.9,-2.6) M15(4.55,-2.6) N1(-4.55,-3.25) N2(-3.9,-3.25) N3(-3.25,-3.25) N4(-2.6,-3.25) N5(-1.95,-3.25) N6(-1.3,-3.25) N7(-0.65,-3.25) N8(0,-3.25) N9(0.65,-3.25) N10(1.3,-3.25) N11(1.95,-3.25) N12(2.6,-3.25) N13(3.25,-3.25) N14(3.9,-3.25) N15(4.55,-3.25) P1(-4.55,-3.9) P2(-3.9,-3.9) P3(-3.25,-3.9) P4(-2.6,-3.9) P5(-1.95,-3.9) P6(-1.3,-3.9) P7(-0.65,-3.9) P8(0,-3.9) P9(0.65,-3.9) P10(1.3,-3.9) P11(1.95,-3.9) P12(2.6,-3.9) P13(3.25,-3.9) P14(3.9,-3.9) P15(4.55,-3.9) R1(-4.55,-4.55) R2(-3.9,-4.55) R3(-3.25,-4.55) R4(-2.6,-4.55) R5(-1.95,-4.55) R6(-1.3,-4.55) R7(-0.65,-4.55) R8(0,-4.55) R9(0.65,-4.55) R10(1.3,-4.55) R11(1.95,-4.55) R12(2.6,-4.55) R13(3.25,-4.55) R14(3.9,-4.55) R15(4.55,-4.55)
  silkscreen extent -5.3,-5.3 5.3,5.3, body extent -5.2,-5.2 5.2,5.2, height 0.62
AssemblyNote [mil] "Assembly Note"
AssemblyNoteLabel [mil] "Assembly Note for PCB Labels"
CE_Mark_5mm [mil] "Minimum text height for CE Mark"
  silkscreen extent -138,-98 138,98
CONN_105017-0001 [mm] "Molex Micro USB-B"
  rect 0.4x1.35 smd: 1(-1.3,1.35) 2(-0.65,1.35) 3(0,1.35) 4(0.65,1.35) 5(1.3,1.35)
  oval 1.2x1.9 hole 0.6 slot 1.3 at 90 deg: 6(-3.5,-1.35) 9(3.5,-1.35)
  rect 1.5x1.9 smd: 7(-1,-1.35) 8(1,-1.35)
  round 1.45 hole 0.85: 10(2.5,1.35) 11(-2.5,1.35)
  TOP region: 3.5,-2.3 2.3,-2.3 2.3,-0.4 3.5,-0.4
  TOP region: -3.5,-0.4 -2.3,-0.4 -2.3,-2.3 -3.5,-2.3
  silkscreen extent -4.1,-0.2 4.1,1.4, body extent -4.1,-3.93 4.1,1.5, height 2.72
CUI_PJ-002AH [mm] "DC POWER JACK, R/A, TH"
  rrect50% 1.5x5.25 hole 1 slot 3.5 at 90 deg: 1(-3,0)
  oval 1.5x4.5 hole 1 slot 3 at 90 deg: 2(3,0)
  oval 4.5x1.5 hole 1 slot 3 at 0 deg: 3(0,4.7)
  silkscreen extent -4.1,-4.5 10.7,4.5, body extent -3.7,-4.5 10.7,4.9, height 11
D0008A_L [mm] "SOIC, 8-Leads, Body 4.9x3.9mm, Pitch 1.27mm, IPC High Density"
  oval 1.25x0.55 smd: 1(-2.625,1.905) 2(-2.625,0.635) 3(-2.625,-0.635) 4(-2.625,-1.905) 5(2.625,-1.905) 6(2.625,-0.635) 7(2.625,0.635) 8(2.625,1.905)
  silkscreen extent -3.1,-2.5 0.9,2.5, body extent -3,-2.45 3,2.45, height 1.63
DBZ0003A_N [mm] "SOT23, 3-Leads, Body 2.9x1.3mm, Pitch 0.95mm, Lead Span 2.4mm, IPC Medium Density"
  rrect17% 1x0.6 smd: 1(-1.2,0.95) 2(-1.2,-0.95) 3(1.2,0)
  silkscreen extent 0.2,-1.5 0.7,1.5, body extent -1.26,-1.46 1.26,1.46, height 0.98
DFE252012P [mm] "TOKO, Pad sizes increased as per request"
  rect 0.9x2 smd: 1(-1.05,0) 2(1.05,0)
  silkscreen extent -0.3,-1.2 0.3,1.2, body extent -1.35,-1.1 1.35,1.1, height 1.2
DRB0008A [mm] "SON, 8-Leads, Body 3x3mm, Pitch 0.65mm, Thermal Pad 1.75x1.5mm, TI Recommended"
  rrect33% 0.6x0.3 smd: 1(-1.4,0.975) 2(-1.4,0.325) 3(-1.4,-0.325) 4(-1.4,-0.975) 5(1.4,-0.975) 6(1.4,-0.325) 7(1.4,0.325) 8(1.4,0.975)
  rrect7% 1.5x1.75 smd paste-0.75: 9(0,0)
  TOP region: -0.465,-1.5 -0.465,-0.875 -0.75,-0.875 -0.75,0.875 -0.465,0.875 -0.465,1.5 -0.185,1.5 -0.185,0.875 0.185,0.875 0.185,1.5 0.465,1.5 0.465,0.875 0.75,0.875 0.75,-0.875 0.465,-0.875 0.465,-1.5 0.185,-1.5 0.185,-0.875 -0.185,-0.875 -0.185,-1.5
  silkscreen extent -1.73,-1.73 1.73,1.73, body extent -1.58,-1.57 1.57,1.58, height 1.01
DRB0008B [mm] "SON, 8-Leads, Body 3x3mm, Pitch 0.65mm, Thermal Pad 2.4x1.65mm, TI Recommended"
  rrect33% 0.6x0.3 smd: 1(-1.4,0.975) 2(-1.4,0.325) 3(-1.4,-0.325) 4(-1.4,-0.975) 5(1.4,-0.975) 6(1.4,-0.325) 7(1.4,0.325) 8(1.4,0.975)
  rrect9% 1.47x1.06 on Bottom Paste: 9(0,-0.63) 9(0,0.63)
  rrect6% 1.65x2.4 smd paste-1.2: 9(0,0)
  silkscreen extent -1.73,-1.73 1.73,1.73, body extent -1.5,-1.5 1.5,1.5, height 0.96
DRL0006A [mm] "SOTFL, 6-Flat Leads, Body 1.2x1.6x0.6mm, Pitch 0.5mm, TI recommended"
  rrect33% 0.67x0.3 smd: 1(-0.74,0.5) 2(-0.74,0) 3(-0.74,-0.5) 4(0.74,-0.5) 5(0.74,0) 6(0.74,0.5)
  silkscreen extent -0.9,-0.95 0.5,0.95, body extent -0.8,-0.8 0.8,0.8, height 0.61
DRY0006A [mm] "PSON, 6-Leads, Body 1x1.45mm, Pitch 0.5mm, TI Recommended"
  rrect50% 0.35x0.2 smd: 1(-0.275,0.5)
  rrect50% 0.3x0.2 smd: 2(-0.3,0) 3(-0.3,-0.5) 4(0.3,-0.5) 5(0.3,0) 6(0.3,0.5)
  body extent -0.5,-0.72 0.5,0.73, height 0.58
ESD_Overlay_Small [mil]
  silkscreen extent -62,-48 64,61
FCC_disclaimer [mil]
Fiducial10-20 [mm]
  round 1 smd mask+0.5: 1(0,0)
  TOP keep-out circle w1.178: c0,0 r0.5
IEC_HotSurface_Small [mil]
  silkscreen extent -107,-93 107,92
Johnson_128-0711-201 [mm] "UMC Straight Jack Receptacle, 50 Ohm, SMT"
  rrect10% 1x1.05 smd: 1(0,1.525)
  rrect10% 1.05x2.2 smd: 2(-1.475,0) 3(1.475,0)
  silkscreen extent -0.6,-1.3 0.6,-1.3, body extent -1.5,-1.55 1.5,1.55, height 1.25
Kyocera_CX3225SA [mm] "SMD, 4-Leads, Body 3.2x2.5mm"
  rrect10% 1.05x1.45 smd: 1(-0.925,1.075) 2(-0.925,-1.075) 3(0.925,-1.075) 4(0.925,1.075)
  silkscreen extent -1.86,1.09 -1.74,1.21, body extent -1.3,-1.65 1.3,1.65, height 0.9
Label_650x200 [mil] "Thermal Transfer Label"
  round 1 on Mech13: 0(0,0)
  silkscreen extent -325,-100 325,100, body extent -325,-100 325,100, height 1
NDK_NX3225SA [mm] "NDK"
  rect 1.2x1.4 smd: 1(-0.8,1.1) 2(-0.8,-1.1) 3(0.8,-1.1) 4(0.8,1.1)
  body extent -1.3,-1.65 1.3,1.65, height 0.7
NLCV32 [mm] "TDK"
  rect 1.2x2 smd: 1(-1.6,0) 2(1.6,0)
  silkscreen extent -0.9,-1.4 0.9,1.4, body extent -1.7,-1.35 1.7,1.35, height 2.4
On-Shore_OSTTE030161 [mm] "Terminal Block, 3.5mm, 3x1, TH"
  rrect50% 1.7x1.7 hole 1.2: 1(-3.5,0)
  round 1.7 hole 1.2: 2(0,0) 3(3.5,0)
  silkscreen extent -5.25,-3.6 5.25,4.05, body extent -5.75,-3.6 5.75,3.4, height 8.4